# Altium PCB IO_Board.PcbDoc (part 2 of 2)
Units mil, origin at the board's own origin, x right, y up, seen from the top; angles counter-clockwise.
Board outline 5915.54 x 5915.54 mil, 4 copper layers (Top Layer 1, 10V, GND, Bottom Layer 1), stack 23.756 mil thick; 192 components, 129 nets, 596 pads, 135 vias.
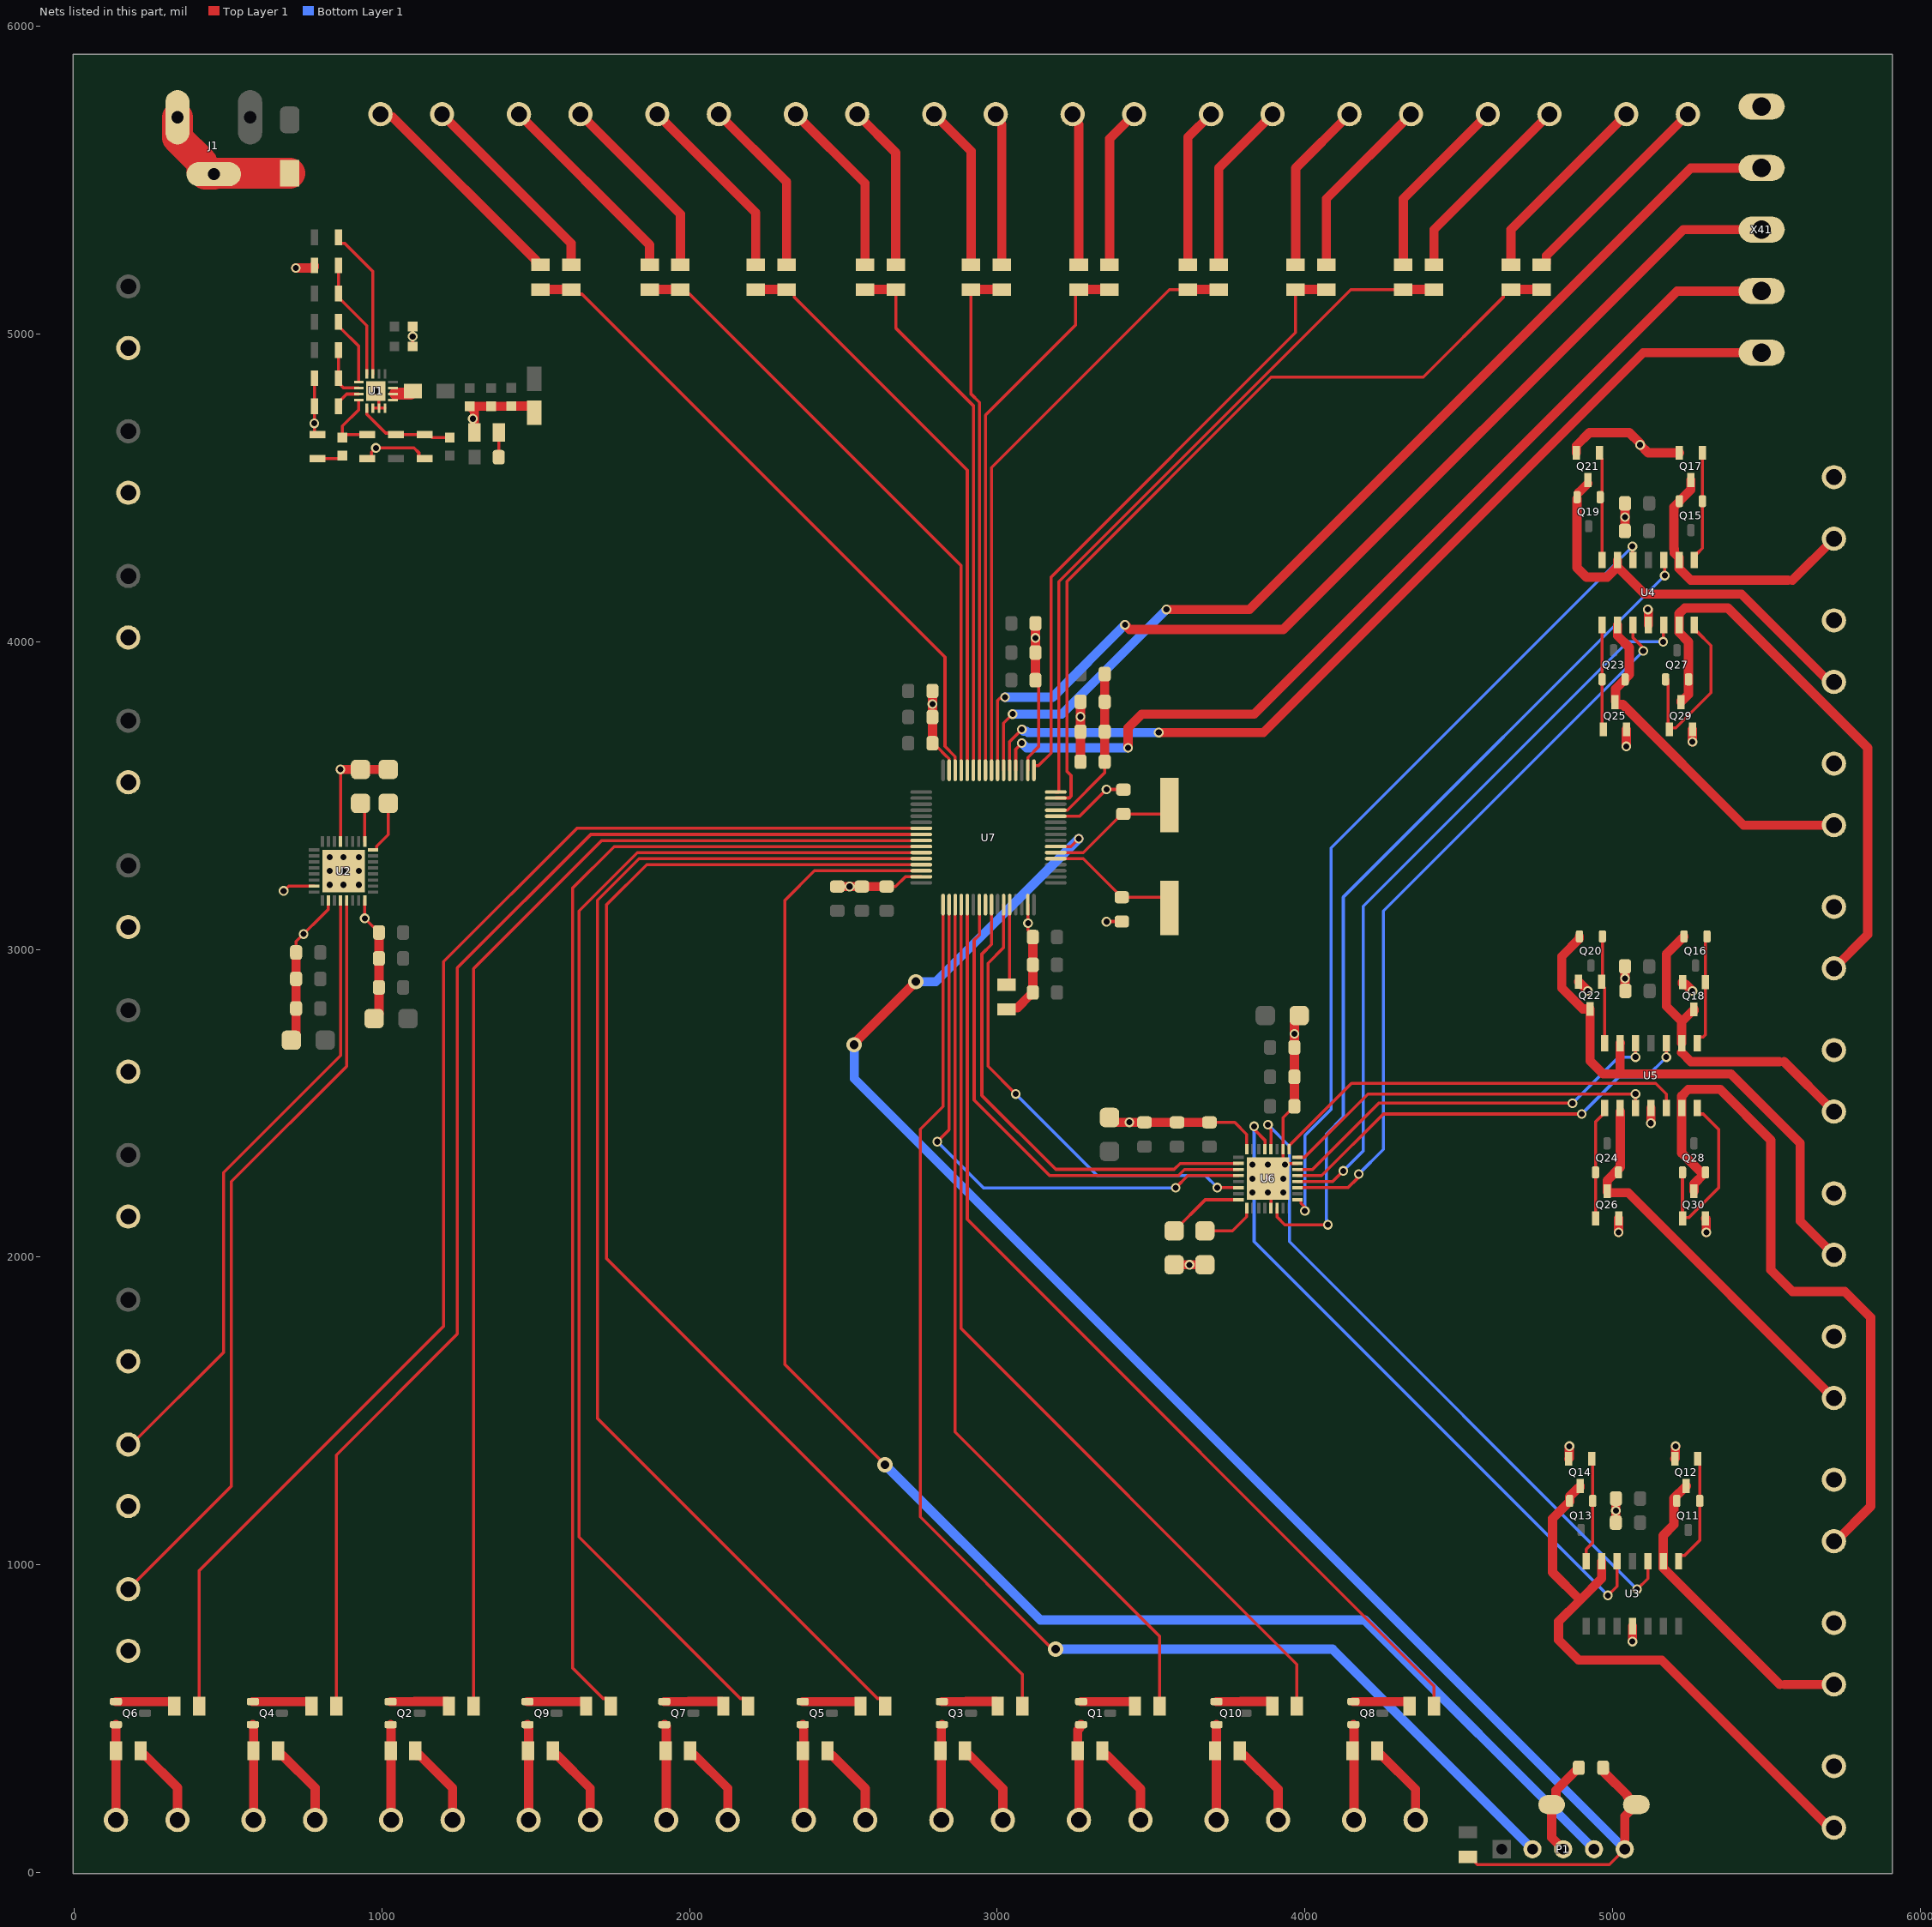
[diagram p4: the nets of this part, all layers, seen from the top]

## Via types
v1: diameter 31.5, hole 19.68, Top Layer 1 to GND, 52 vias
v2: diameter 31.5, hole 19.68, Top Layer 1 to Bottom Layer 1, 44 vias
v3: diameter 31.5, hole 19.68, Top Layer 1 to 10V, 26 vias
v4: diameter 50, hole 28, Top Layer 1 to Bottom Layer 1, 11 vias
v5: diameter 118.11, hole 59.06, Top Layer 1 to Bottom Layer 1, 2 vias

## Nets (pads, with @x,y where several pads share a name; then routed paths per layer and width w, separated by ;. In a path a pad name is that pad's centre, name@x,y a point inside that pad or via, vN(x,y) a via of type N, cw(c..) or ccw(c..) an arc to the next point about the centre after c; other vN are vias at no path point) (continued)
ANAOG_INPUT_9: U2.28 X28.1 | length 2060.6
  Top Layer 1 w10: X28.1@175,1390.56 185.56,1390.56 485,1690 485,2275 865.16,2655.16 U2.28@865.16,3159.13
ANAOG_INPUT_10: U2.29 X29.1 | length 2533.2
  Top Layer 1 w10: X29.1@175,920 510,1255 510,2245 884.84,2619.84 U2.29@884.84,3159.13
ANAOG_OUTPUT_1: Q15.2 Q17.3 U4.2 X31.1 | length 877.2
  Top Layer 1 w30: Q17.3@5255,4525.71 5255,4494.65 Q15.2@5217.6,4457.24 5217.6,4455.75 5200,4438.15 5200,4302.67 5201.25,4301.42 5201.25,4288.89 5216.44,4273.7 5216.44,4238.56 5255,4200 5570,4200 ; 5585,4200 X31.1@5720,4335
ANAOG_OUTPUT_2: Q19.2 Q21.3 U4.6 X32.1 | length 1292
  Top Layer 1 w30: Q19.2@4885,4465.31 4885,4391.65 4884.6,4391.25 4884.6,4240.4 4915,4210 4982.88,4210 U4.6@5016.44,4243.56 ; Q19.2@4889.37,4484.25 Q21.3@4920,4514.88 ; U4.6@5016.44,4265.31 U4.6@5016.44,4243.56 ; X32.1@5705,3869.44 5419.44,4155 5105,4155 U4.6@5016.44,4243.56
ANAOG_OUTPUT_3: Q23.2 Q25.3 U4.9 X33.1 | length 1138.8
  Top Layer 1 w30: Q25.3@5010.36,3806.35 5010.36,3847.16 5036.28,3873.07 5037.77,3873.07 Q23.2@5040.96,3876.26 ; Q25.3@5010.79,3795.94 5034.06,3795.94 5426.11,3403.89 X33.1@5705,3403.89 ; U4.9@5016.44,4054.69 5016.44,4019.92 5055,3981.37 5055,3893.29 5040.96,3879.25 Q23.2@5040.96,3877.76
ANAOG_OUTPUT_4: Q27.2 Q29.3 U4.13 X34.1 | length 1885.5
  Top Layer 1 w30: Q29.3@5222.4,3803.58 5222.4,3808.03 5225.59,3811.22 5229.83,3811.22 5247.4,3828.79 5247.4,3999.72 5216.44,4030.69 U4.13@5216.44,4054.69 5216.44,4091.44 5235,4110 5375,4110 5830,3655 5830,3048.33 X34.1@5720,2938.33
ANAOG_OUTPUT_5: Q16.2 Q18.3 U5.2 X35.1 | length 1010.9
  Top Layer 1 w30: 5225.12,2664.88 5255,2635 5542.78,2635 ; U5.2@5225.12,2695.32 5225.12,2765.12 ; Q16.2@5232.6,3042.24 5232.6,3040.75 5226.22,3034.37 5224.72,3034.37 5175,2984.65 5175,2815.24 5225.12,2765.12 ; Q18.3@5265,2805 5265,2800.55 5261.81,2797.36 5257.36,2797.36 5225.12,2765.12 ; 5557.78,2635 X35.1@5720,2472.78
ANAOG_OUTPUT_6: Q20.2 Q22.3 U5.6 X36.1 | length 1782.9
  Top Layer 1 w30: Q20.2@4892.6,3042.24 4892.6,3034.86 4835,2977.26 4835,2875 4903.58,2806.42 Q22.3@4927.4,2806.42 4927.4,2637.6 4970,2595 5025,2595 ; U5.6@5025.12,2695.32 5025,2695.2 5025,2595 ; X36.1@5720,2007.22 5610,2117.22 5610,2370 5385,2595 5025,2595
ANAOG_OUTPUT_7: Q24.2 Q26.3 U5.9 X37.1 | length 1293.8
  Top Layer 1 w30: U5.9@5025.36,2473.11 5025.36,2291.89 4982.6,2249.13 Q26.3@4982.6,2214.29 4982.6,2212.17 4985.79,2208.98 5051.02,2208.98 5718.33,1541.67 X37.1@5720,1541.67
ANAOG_OUTPUT_8: Q28.2 Q30.3 U5.13 X38.1 | length 2304.3
  Top Layer 1 w30: Q30.3@5265,2214.29 5265,2237.6 5297.72,2270.31 Q28.2@5299.21,2270.31 ; 5288.16,2275 5225.12,2338.04 5225.12,2523.51 5246.6,2545 5350,2545 5514.79,2380.21 5514.79,1958.19 5584.79,1888.19 5754.79,1888.19 5839.79,1803.19 5839.79,1189.3 5726.6,1076.11 X38.1@5720,1076.11
ANAOG_OUTPUT_9: Q11.2 Q12.3 U3.2 X39.1 | length 994.1
  Top Layer 1 w30: Q12.3@5240,1255.71 5200,1215.71 5200,1130 5165,1095 U3.2@5165,1010.63 5165,989.72 5193.66,961.06 5544.16,610.56 ; 5559.16,610.56 X39.1@5720,610.56
ANAOG_OUTPUT_10: Q13.2 Q14.3 U3.6 X40.1 | length 1903.8
  Top Layer 1 w10: Q14.3@4888.19,1248.9 Q14.3@4895,1255.71
  Top Layer 1 w30: Q14.3@4895,1255.71 4895,1251.26 4891.81,1248.07 4887.36,1248.07 4860.87,1221.57 4860.87,1205.75 4805,1149.88 4805,975 4895,885 ; U3.6@4965,1010.63 4965,955 4895,885 ; X40.1@5705,145 5160,690 4890,690 4825,755 4825,815 4895,885
DAC_INT: U6.6 U7.59 | length 1521.7
  Top Layer 1 w10: U7.59@3020.71,3145.39 3020.71,3005.71 2970,2955 2970,2620 v2(3060,2530) ; v2@3720,2220 3725.47,2225.47 U6.6@3784.13,2225.47
  Bottom Layer 1 w10: v2(3060,2530) 3325,2265 3675.94,2265 v2(3715.47,2225.47)
DAC_MISO: U7.56
DAC_MOSI: U6.2 U7.57 | length 1574.9
  Top Layer 1 w10: U7.57@2981.34,3145.39 2981.34,3016.34 2950,2985 2950,2765 2950,2760 2950,2525 3190,2285 3575,2285 3594.21,2304.21 U6.2@3784.13,2304.21
DAC_NSS: U6.4 U7.50 | length 1844.1
  Top Layer 1 w10: v2(2805,2375) 2843.54,2413.54 U7.50@2843.54,3145.39 ; v2(3580,2225) 3619.84,2264.84 U6.4@3784.13,2264.84
  Bottom Layer 1 w10: v2(2805,2375) 2955,2225 v2(3580,2225)
DAC_SCLK: U6.3 U7.55 | length 1611.1
  Top Layer 1 w10: U7.55@2941.97,3145.39 2941.97,3046.97 2925,3030 2925,2510 3170,2265 3588.84,2265 3608.37,2284.53 U6.3@3784.13,2284.53
DIGITAL_INPUT1: R13.1 X1.1 | length 664
  Top Layer 1 w30: X1.1@1195,5715 1615,5295 R13.1@1615,5225
DIGITAL_INPUT2: R17.1 X6.1 | length 624.6
  Top Layer 1 w30: X6.1@1645,5715 1970,5390 R17.1@1970,5225
DIGITAL_INPUT3: R21.1 X2.1 | length 581.1
  Top Layer 1 w30: X2.1@2095,5715 2315,5495 R21.1@2315,5225
DIGITAL_INPUT4: R25.1 X7.1 | length 541.8
  Top Layer 1 w30: X7.1@2545,5715 2670,5590 R25.1@2670,5225
DIGITAL_INPUT5: R29.1 X3.1 | length 498.3
  Top Layer 1 w30: X3.1@2995,5715 2995,5701.81 3015,5681.81 R29.1@3015,5225
DIGITAL_INPUT6: R14.1 X8.1 | length 523.1
  Top Layer 1 w30: R14.1@3365,5225 3365,5635 X8.1@3445,5715
DIGITAL_INPUT7: R18.1 X4.1 | length 562.5
  Top Layer 1 w30: R18.1@3720,5225 3720,5540 X4.1@3895,5715
DIGITAL_INPUT8: R22.1 X9.1 | length 603.9
  Top Layer 1 w30: R22.1@4070,5225 4070,5440 X9.1@4345,5715
DIGITAL_INPUT9: R26.1 X5.1 | length 645.3
  Top Layer 1 w30: R26.1@4420,5225 4420,5340 X5.1@4795,5715
DIGITAL_INPUT10: R30.1 X10.1 | length 692.6
  Top Layer 1 w30: R30.1@4770,5225 4780,5225 4785,5230 4785,5255 X10.1@5245,5715
DIGITAL_OUTPUT1: Q1.2 R35.1 X11.1 | length 317.1
  Top Layer 1 w30: X11.1@3265.55,170 3265.55,391.11 R35.1@3261.67,395 3261.67,462.43 3268.07,468.83 3268.07,476.81 3271.26,480 Q1.2@3272.76,480
DIGITAL_OUTPUT2: Q3.2 R39.1 X12.1 | length 310.7
  Top Layer 1 w30: X12.1@2818.33,170 2818.33,478.33 Q3.2@2820,480
DIGITAL_OUTPUT3: Q5.2 R43.1 X13.1 | length 311.5
  Top Layer 1 w30: Q5.2@2367.76,480 2367.92,480 2371.11,476.81 X13.1@2371.11,170
DIGITAL_OUTPUT4: Q7.2 R47.1 X14.1 | length 313.4
  Top Layer 1 w30: Q7.2@1917.76,480 1919.25,480 1923.89,475.36 X14.1@1923.89,170
DIGITAL_OUTPUT5: Q9.2 R51.1 X15.1 | length 312
  Top Layer 1 w30: Q9.2@1472.76,480 1473.48,480 1476.67,476.81 X15.1@1476.67,170
DIGITAL_OUTPUT6: Q2.2 R36.1 X16.1 | length 310.7
  Top Layer 1 w30: Q2.2@1027.76,480 1029.44,478.31 X16.1@1029.44,170
DIGITAL_OUTPUT7: Q4.2 R40.1 X17.1 | length 310.9
  Top Layer 1 w30: Q4.2@580,480 582.22,477.78 X17.1@582.22,170
DIGITAL_OUTPUT8: Q6.2 R44.1 X18.1 | length 310
  Top Layer 1 w30: X18.1@135,170 R44.1@135,395 Q6.2@135,480
DIGITAL_OUTPUT9: Q8.2 R48.1 X19.1 | length 310.9
  Top Layer 1 w30: Q8.2@4157.76,480 4160,477.76 X19.1@4160,170
DIGITAL_OUTPUT10: Q10.2 R52.1 X20.1 | length 310
  Top Layer 1 w30: X20.1@3712.78,170 Q10.2@3712.76,480
GND: C1.2 C2.2 C3.2 C4.2 C5.2 C9.2 C10.1 C11.1 C12.1 C13.2 C14.1 C15.1 C16.1 C17.1 C18.1 C19.1 C20.1 C21.1 C22.1 C23.1 C24.2 C25.1 C26.1 C27.1 C28.2 C29.1 C30.1 C31.1 C32.1 C33.1 C35.1 C36.1 C37.1 C38.1 C39.1 C40.1 C41.1 C42.1 C43.1 C44.1 C45.1 C46.1 C47.1 C48.1 C49.1 C50.1 C51.1 C52.1 C53.1 D1.1 J1.2 J1.3 P1.3 Q12.2 Q14.2 Q17.2 Q18.2 Q21.2 Q22.2 Q25.2 Q26.2 Q29.2 Q30.2 R4.1 R5.1 R7.1 R9.1 R10.1 R11.1 R12.1 R15.2 R16.2 R19.2 R20.2 R23.2 R24.2 R27.2 R28.2 R31.2 R32.2 R35.2 R36.2 R39.2 R40.2 R43.2 R44.2 R47.2 R48.2 R51.2 R52.2 R54.2 S1.1 U1.10 U1.11 U1.12 U1.17 U2.13 U2.23 U2.26 U2.32 U2.33 U3.11 U4.11 U5.11 U6.13 U6.23 U6.26 U6.32 U6.33 U7.12 U7.18 U7.31 U7.47 U7.63 X1.2 X2.2 X3.2 X4.2 X5.2 X6.2 X7.2 X8.2 X9.2 X10.2 X11.2 X12.2 X13.2 X14.2 X15.2 X16.2 X17.2 X18.2 X19.2 X20.2 X21.2 X22.2 X23.2 X24.2 X25.2 X26.2 X27.2 X28.2 X29.2 X30.2 X31.2 X32.2 X33.2 X34.2 X35.2 X36.2 X37.2 X38.2 X39.2 X40.2 X41.5 | length 16348.8
  Top Layer 1 w10: v1(680,3190) 680.82,3190 696.61,3205.79 U2.23@779.13,3205.79 ; C12.1@720.63,2990 720.63,3025.63 825.47,3130.47 825.47,3158.82 U2.26@825.79,3159.13 ; R4.1@780,4856.67 R9.1@780,4765 780,4680.55 786.81,4673.74 R11.1@790,4673.74 ; v1(865,3585) 865.16,3584.84 U2.13@865.16,3350.87 ; U2.32@943.9,3159.13 v1(943.9,3101.1) 971.38,3073.62 972.69,3073.62 990,3056.32 C16.1@990,3055 ; R10.1@952.02,4595 959.14,4595 965.95,4601.81 965.95,4615.95 v1(980,4630) 1104.05,4630 1119.74,4614.31 1119.74,4601.81 1126.55,4595 R7.1@1139.05,4595 ; U1.10@970.16,4759.49 U1.11@989.84,4759.49 ; v1(980,4815) 989.84,4805.16 U1.11@989.84,4759.49 ; U1.12@1009.53,4759.49 U1.11@989.84,4759.49 ; C1.2@1099.53,4960 C2.2@1099.53,5025 ; C40.1@2480,3204.37 C40.1@2484.37,3200 ; C38.1@2640,3204.37 2669.37,3204.37 2700.94,3235.94 U7.47@2752.99,3235.94 ; C44.1@2789.37,3670 2789.37,3668.68 2803.69,3654.37 2808.16,3654.37 2831.69,3630.83 2843.2,3619.33 2843.2,3582.75 U7.31@2843.54,3582.4 ; U7.63@3099.45,3145.39 3099.45,3062.74 C35.1@3115.63,3046.56 ; U7.18@3099.45,3582.4 3099.8,3582.75 3099.8,3624.34 3135,3659.54 3135,3864.37 C47.1@3124.37,3875 ; U7.12@3190,3432.8 3267.8,3432.8 v1(3355,3520) 3409.37,3520 C51.1@3410,3519.37 ; v1(3355,3090) 3355.63,3090.63 C50.1@3405,3090.63 ; C29.1@3690,2437.87 3772.13,2437.87 3811.1,2398.9 U6.32@3811.1,2350.87 ; v1(3880,2210) 3889.84,2200.16 U6.13@3889.84,2159.13 ; C25.1@3965.87,2490 3965.87,2488.68 3951.55,2474.37 3950.23,2474.37 3929.21,2453.35 U6.26@3929.21,2350.87 3929.21,2305.79 v1(3935,2300) 3939.21,2304.21 U6.23@3975.87,2304.21
  Top Layer 1 w30: R44.2@215,395 215,385 220,380 230,380 335,275 X18.2@335,170 ; R40.2@661.67,395 661.67,385 666.67,380 676.67,380 782.22,274.44 X17.2@782.22,170 ; C9.2@704.88,2705 720.63,2720.75 C10.1@720.63,2808.08 C11.1@720.63,2904.04 C12.1@720.63,2990 ; v1(720,5215) 776.81,5215 780,5218.19 R5.1@780,5223.33 ; v1(865,3585) 929.88,3585 C18.1@930,3585.12 C17.1@1020,3585.12 ; C13.2@974.25,2775 990,2790.75 C14.1@990,2876.42 C15.1@990,2970.71 C16.1@990,3055 ; X1.2@995,5715 1004.33,5705.67 1034.33,5705.67 1500,5240 1500,5230 1505,5225 R15.2@1515,5225 ; R36.2@1108.33,395 1108.33,385 1113.33,380 1123.33,380 1229.44,273.89 X16.2@1229.44,170 ; R12.1@1300,4680 1300,4750.47 C3.2@1285,4765.47 C4.2@1355,4765.47 1419.53,4765.47 C5.2@1420,4765.94 1486.4,4765.94 1495,4757.34 C53.1@1495,4744.78 ; X6.2@1445,5715 1870,5290 R19.2@1870,5225 ; R51.2@1555,395 1555,385 1560,380 1570,380 1676.67,273.33 X15.2@1676.67,170 ; X2.2@1895,5715 2215,5395 R23.2@2215,5225 ; R47.2@2001.67,395 2001.67,385 2006.67,380 2016.67,380 2123.89,272.78 X14.2@2123.89,170 ; X7.2@2345,5715 2570,5490 R27.2@2570,5225 ; R43.2@2448.33,395 2448.33,385 2453.33,380 2463.33,380 2571.11,272.22 X13.2@2571.11,170 ; C40.1@2480,3204.37 C39.1@2560,3204.37 C38.1@2640,3204.37 ; C44.1@2789.37,3670 C45.1@2789.37,3755 C46.1@2789.37,3840 ; X3.2@2795,5715 2915,5595 R31.2@2915,5225 ; R39.2@2895,395 2895,385 2900,380 2910,380 3018.33,271.67 X12.2@3018.33,170 ; R54.2@3030,2805 3035,2810 3065.63,2810 3107.01,2851.38 3110.94,2851.38 3115.63,2856.06 C37.1@3115.63,2860 C36.1@3115.63,2950 C35.1@3115.63,3040 C35.1@3115.63,3046.56 ; C47.1@3124.37,3875 C48.1@3124.37,3965 C49.1@3124.37,4060 ; X8.2@3245,5715 3245,5701.81 3265,5681.81 R16.2@3265,5225 ; C43.1@3270.63,3610 C42.1@3270.63,3707.5 C41.1@3270.63,3805 ; R35.2@3341.67,395 3341.67,385 3346.67,380 3356.67,380 3465.55,271.11 X11.2@3465.55,170 ; C28.2@3365,2453.62 3380.75,2437.87 C31.1@3478.58,2437.87 C30.1@3584.29,2437.87 C29.1@3690,2437.87 ; C32.1@3575,1974.76 3674.88,1974.76 C33.1@3675,1974.88 ; R20.2@3620,5225 3620,5640 X4.2@3695,5715 ; R52.2@3788.33,395 3788.33,385 3793.33,380 3803.33,380 3912.78,270.56 X20.2@3912.78,170 ; C25.1@3965.87,2490 C26.1@3965.87,2585.71 C27.1@3965.87,2681.42 3965.87,2769.25 C24.2@3981.61,2785 ; R24.2@3970,5225 3970,5540 X9.2@4145,5715 ; R48.2@4235,395 4235,385 4240,380 4250,380 4360,270 X19.2@4360,170 ; R28.2@4320,5225 4320,5440 X5.2@4595,5715 ; R32.2@4670,5225 4670,5340 X10.2@5045,5715 ; P1.3@4840,75 4802.2,112.8 S1.1@4802.2,220 4816.41,234.21 4816.41,265.78 4882.01,331.38 4885.94,331.38 4890.63,336.06 C52.1@4890.63,340 ; Q14.2@4857.6,1344.29 4859.71,1346.41 4859.71,1384.71 v1(4860,1385) ; Q21.2@4882.6,4614.29 4882.6,4637.43 4925.17,4680 5055,4680 5089.71,4645.29 5089.71,4640.29 v1(5090,4640) 5115.71,4614.29 Q17.2@5217.6,4614.29 ; Q22.2@4890,2895 v1(4920,2865) ; C19.1@5010.94,1136.5 5010.94,1214.68 C18.1@5011.26,1215 ; v1(5020,2080) Q26.2@5020,2125.71 ; C20.1@5040.31,4360 5040.63,4360.31 C21.1@5040.63,4450 ; C23.1@5040.63,2866.44 C22.1@5040.63,2945 ; v1(5045,3660) Q25.2@5045,3715 ; v1(5065,750) U3.11@5065,800 ; v1(5115,4105) 5115,4104.6 5116.44,4103.15 U4.11@5116.44,4054.69 ; v1(5125,2435) 5125,2484.57 U5.11@5125.12,2484.68 ; Q12.2@5202.6,1344.29 5204.71,1346.41 5204.71,1384.71 v1(5205,1385) ; Q18.2@5227.6,2893.58 5227.6,2889.13 5230.79,2885.94 5238.65,2885.94 5259.6,2865 v1(5260,2865) ; Q29.2@5259.8,3715 5259.9,3714.9 5259.9,3675.1 v1(5260,3675) ; Q30.2@5302.4,2125.71 5304.73,2123.38 5304.73,2080.27 v1(5305,2080)
  Top Layer 1 w100: J1.2@335,5705 335,5638.07 414.53,5558.54 414.53,5530.59 425.16,5519.96 J1.3@453.11,5519.96 456.54,5523.39 D1.1@700,5523.39
  other v1: 5010.94,1175.59 3624.94,1974.76 3830,2210 3930,2210 3830,2255 3930,2255 3830,2300 3880,2300 3429.67,2437.87 3965.87,2725.33 5040.63,2905.72 745,3050 3100,3085 2520,3204.37 830,3210 875,3210 925,3210 830,3255 875,3255 925,3255 830,3300 875,3300 925,3300 3270.63,3756.25 2789.37,3797.5 3124.37,4012.5 5040.63,4405.16 780,4710 1295,4725 1099.53,4992.5
MCU_DIGITAL_INPUT1: R13.2 R15.1 U7.30 | length 2191.3
  Top Layer 1 w10: R13.2@1615,5145 1630,5130 1650,5130 2830,3950 2830,3660 2863.23,3626.77 U7.30@2863.23,3582.4
  Top Layer 1 w30: R15.1@1515,5145 R13.2@1615,5145
MCU_DIGITAL_INPUT2: R17.2 R19.1 U7.29 | length 2152.5
  Top Layer 1 w10: R19.1@1870,5145 1985,5145 1985,5140 1995,5130 2000,5130 2882.91,4247.09 U7.29@2882.91,3582.4
  Top Layer 1 w30: R19.1@1870,5145 R17.2@1970,5145
MCU_DIGITAL_INPUT3: R21.2 R23.1 U7.28 | length 1911.8
  Top Layer 1 w10: R21.2@2315,5145 2325,5145 2340,5130 2340,5120 2902.6,4557.4 U7.28@2902.6,3582.4
  Top Layer 1 w30: R23.1@2215,5145 R21.2@2315,5145
MCU_DIGITAL_INPUT4: R25.2 R27.1 U7.27 | length 1767.1
  Top Layer 1 w10: R25.2@2670,5145 2670,5020 2922.28,4767.72 U7.27@2922.28,3582.4
  Top Layer 1 w30: R27.1@2570,5145 R25.2@2670,5145
MCU_DIGITAL_INPUT5: R29.2 R31.1 U7.26 | length 1673.8
  Top Layer 1 w10: R31.1@2915,5145 2915,4805 2941.97,4778.03 U7.26@2941.97,3582.4
  Top Layer 1 w30: R31.1@2915,5145 R29.2@3015,5145
MCU_DIGITAL_INPUT6: R14.2 R16.1 U7.25 | length 1788.2
  Top Layer 1 w10: U7.25@2961.65,3582.4 2961.65,4736.65 3255,5030 3255,5135 R16.1@3265,5145
  Top Layer 1 w30: R16.1@3265,5145 R14.2@3365,5145
MCU_DIGITAL_INPUT7: R18.2 R20.1 U7.24 | length 1962.3
  Top Layer 1 w10: U7.24@2981.34,3582.4 2981.34,4566.34 3560,5145 R20.1@3620,5145
  Top Layer 1 w30: R20.1@3620,5145 R18.2@3720,5145
MCU_DIGITAL_INPUT8: R22.2 R24.1 U7.17 | length 2023.4
  Top Layer 1 w10: U7.17@3119.13,3582.4 3119.13,3596.61 3119.97,3597.45 3134.18,3597.45 3175,3638.27 3175,4210 3970,5005 R24.1@3970,5145
  Top Layer 1 w30: R24.1@3970,5145 R22.2@4070,5145
MCU_DIGITAL_INPUT9: R26.2 R28.1 U7.16 | length 2306.7
  Top Layer 1 w10: U7.16@3190,3511.54 3199.16,3511.54 3200,3512.37 3200,4195.46 4149.54,5145 R28.1@4320,5145
  Top Layer 1 w30: R28.1@4320,5145 R26.2@4420,5145
MCU_DIGITAL_INPUT10: R30.2 R32.1 U7.15 | length 2698.3
  Top Layer 1 w10: U7.15@3190,3491.85 3190.35,3492.2 3234.14,3492.2 3240,3498.05 3240,3565 3227.2,3577.8 3227.2,4197.2 3890,4860 4385,4860 4645,5120 4645,5130 4660,5145 R32.1@4670,5145
  Top Layer 1 w30: R32.1@4670,5145 R30.2@4770,5145
MCU_DIGITAL_OUTPUT1: R33.1 U7.51 | length 2880.7
  Top Layer 1 w10: U7.51@2863.23,3145.39 2863.23,1431.77 3527.78,767.22 R33.1@3527.78,540
MCU_DIGITAL_OUTPUT2: R37.1 U7.45 | length 4241.8
  Top Layer 1 w10: U7.45@2752.99,3275.31 1860.32,3275.31 1730,3145 1730,1995 3081.67,643.33 R37.1@3081.67,540
MCU_DIGITAL_OUTPUT3: R41.1 U7.44 | length 4121.8
  Top Layer 1 w10: R41.1@2635.56,540 2635.56,550 2620.56,565 2610.56,565 1700.23,1475.33 1700.23,3159.77 1835.46,3295 U7.44@2752.99,3295
MCU_DIGITAL_OUTPUT4: R45.1 U7.43 | length 4010
  Top Layer 1 w10: R45.1@2189.44,540 2189.44,550 2174.44,565 2164.44,565 1640,1089.44 1640,3125 1829.68,3314.69 U7.43@2752.99,3314.69
MCU_DIGITAL_OUTPUT5: R49.1 U7.42 | length 3905.6
  Top Layer 1 w10: R49.1@1743.33,540 1743.33,550 1728.33,565 1718.33,565 1620,663.33 1620,3200 1754.37,3334.37 U7.42@2752.99,3334.37
MCU_DIGITAL_OUTPUT6: R34.1 U7.41 | length 4025.6
  Top Layer 1 w10: R34.1@1297.22,540 1297.22,2937.22 1714.06,3354.06 U7.41@2752.99,3354.06
MCU_DIGITAL_OUTPUT7: R38.1 U7.40 | length 4250.8
  Top Layer 1 w10: R38.1@851.11,540 851.11,1356.11 1245,1750 1245,2940 1678.74,3373.74 U7.40@2752.99,3373.74
MCU_DIGITAL_OUTPUT8: R42.1 U7.39 | length 4481.8
  Top Layer 1 w10: R42.1@405,540 405,980 1200,1775 1200,2960 1633.43,3393.43 U7.39@2752.99,3393.43
MCU_DIGITAL_OUTPUT9: R46.1 U7.53 | length 3233.9
  Top Layer 1 w10: U7.53@2902.6,3145.39 2902.6,2122.4 4420,605 R46.1@4420,540
MCU_DIGITAL_OUTPUT10: R50.1 U7.52 | length 3057.3
  Top Layer 1 w10: U7.52@2882.91,3145.39 2882.91,1767.09 3973.89,676.11 R50.1@3973.89,540
NetC6_1: C6.1 R3.1 R7.2 U1.9 | length 320.8
  Top Layer 1 w10: U1.9@950.47,4759.49 950.47,4739.53 1011.59,4678.41 1040.87,4678.41 R3.1@1045.54,4673.74 R7.2@1139.05,4673.74 1152.83,4673.74 1162.55,4664.02 C6.1@1220,4664.02
NetC7_1: C7.1 R11.2 | length 85.1
  Top Layer 1 w10: R11.2@790,4595 860.99,4595 C7.1@870.95,4604.96
NetC7_2: C7.2 R10.2 U1.8 | length 228.7
  Top Layer 1 w10: U1.8@924.49,4785.47 924.49,4754.49 870.95,4700.95 C7.2@870.95,4664.02 880.68,4673.74 R10.2@952.02,4673.74
NetC17_2: C17.2 U2.8 | length 178
  Top Layer 1 w10: U2.8@970.87,3323.9 982.28,3323.9 982.6,3324.21 982.6,3335.63 1020,3373.03 C17.2@1020,3474.88
NetC18_2: C18.2@930,3474.88 U2.9 | length 129.8
  Top Layer 1 w10: C18.2@930,3474.88 943.9,3460.98 U2.9@943.9,3350.87
NetC32_2: C32.2 U6.8 | length 251
  Top Layer 1 w10: C32.2@3575,2085 3676.1,2186.1 U6.8@3784.13,2186.1
NetC33_2: C33.2 U6.9 | length 183.2
  Top Layer 1 w10: C33.2@3675,2085.12 3765.12,2085.12 3811.1,2131.1 U6.9@3811.1,2159.13
NetC41_2: C41.2 C42.2 C43.2 L2.2 U7.13 | length 530.5
  Top Layer 1 w10: U7.13@3190,3452.48 3190.35,3452.83 3227.83,3452.83 3349.37,3574.37 C43.2@3349.37,3610
  Top Layer 1 w30: C43.2@3349.37,3610 C42.2@3349.37,3707.5 C41.2@3349.37,3805 L2.2@3349.37,3895
NetD2_2: D2.2 R12.2 | length 80.3
  Top Layer 1 w10: D2.2@1379.37,4600 1379.37,4679.37 R12.2@1380,4680
NetL1_1: L1.1 U1.13 U1.14 U1.15 | length 68.6
  Top Layer 1 w30: L1.1@1084.25,4805.16 1094.09,4815 L1.1@1100,4815
  Top Layer 1 w40: U1.14@1043.65,4806.57 L1.1@1092.39,4806.57
NetQ1_1: Q1.1 R33.2 | length 186.9
  Top Layer 1 w30: Q1.1@3272.76,554.8 3442.78,554.8 3447.78,549.8 R33.2@3447.78,540
NetQ2_1: Q2.1 R34.2 | length 202
  Top Layer 1 w30: Q2.1@1027.76,554.8 1105.91,554.8 1106.5,555.4 1211.82,555.4 1217.22,550 R34.2@1217.22,540
NetQ3_1: Q3.1 R37.2 | length 194.2
  Top Layer 1 w30: Q3.1@2820,554.8 2898.15,554.8 2898.75,555.4 2996.26,555.4 3001.67,550 R37.2@3001.67,540
NetQ4_1: Q4.1 R38.2 | length 203
  Top Layer 1 w30: Q4.1@580,554.8 766.11,554.8 771.11,549.8 R38.2@771.11,540
NetQ5_1: Q5.1 R41.2 | length 199.7
  Top Layer 1 w30: Q5.1@2367.76,554.8 2550.56,554.8 2555.56,549.8 R41.2@2555.56,540
NetQ6_1: Q6.1 R42.2 | length 201.9
  Top Layer 1 w30: Q6.1@135,554.8 320,554.8 325,549.8 R42.2@325,540
NetQ7_1: Q7.1 R45.2 | length 204.2
  Top Layer 1 w30: Q7.1@1917.76,554.8 1995.91,554.8 1996.5,555.4 2104.04,555.4 2109.44,550 R45.2@2109.44,540
NetQ8_1: Q8.1 R46.2 | length 194.1
  Top Layer 1 w30: Q8.1@4157.76,554.8 4335,554.8 4340,549.8 R46.2@4340,540
NetQ9_1: Q9.1 R49.2 | length 202.5
  Top Layer 1 w30: Q9.1@1472.76,554.8 1658.33,554.8 1663.33,549.8 R49.2@1663.33,540
NetQ10_1: Q10.1 R50.2 | length 193.6
  Top Layer 1 w30: Q10.1@3712.76,554.8 3790.91,554.8 3791.5,555.4 3888.49,555.4 3893.89,550 R50.2@3893.89,540
NetQ11_1: Q11.1 Q12.1 U3.1 | length 372.5
  Top Layer 1 w10: U3.1@5215,1010.63 5215,1023.62 5221.81,1030.43 5234.8,1030.43 5283.84,1079.47 Q11.1@5283.84,1207.24 5283.84,1337.85 Q12.1@5277.4,1344.29
NetQ13_1: Q13.1 Q14.1 U3.7 | length 343
  Top Layer 1 w10: U3.7@4915,1010.63 4915,1050 4935,1070 4935,1341.69 Q14.1@4932.4,1344.29
NetQ15_1: Q15.1 Q17.1 U4.1 | length 360.8
  Top Layer 1 w10: U4.1@5266.44,4265.31 5266.44,4280.08 5273.25,4286.89 5275.03,4286.89 5292.4,4304.26 Q15.1@5292.4,4457.24 Q17.1@5292.4,4614.29
NetQ16_1: Q16.1 Q18.1 U5.1 | length 367.9
  Top Layer 1 w10: U5.1@5275.12,2695.32 5275.12,2708.3 5281.93,2715.11 5294.92,2715.11 5302.4,2722.6 Q18.1@5302.4,2893.58 5302.4,3037.24 Q16.1@5307.4,3042.24
NetQ19_1: Q19.1 Q21.1 U4.7 | length 352.7
  Top Layer 1 w10: Q21.1@4957.4,4614.29 4957.4,4603.46 4966.44,4594.43 U4.7@4966.44,4265.31
NetQ20_1: Q20.1 Q22.1 U5.7 | length 352.3
  Top Layer 1 w10: Q20.1@4967.4,3042.24 4967.4,2897.6 Q22.1@4964.8,2895 4964.8,2884.17 4975.12,2873.86 U5.7@4975.12,2695.32
NetQ23_1: Q23.1 Q25.1 U4.8 | length 341.2
  Top Layer 1 w10: U4.8@4966.44,4054.69 4966.44,3718.76 Q25.1@4970.2,3715
NetQ24_1: Q24.1 Q26.1 U5.8 | length 371.4
  Top Layer 1 w10: Q26.1@4945.2,2125.71 4945.2,2275 4945.2,2440 4975.12,2469.92 U5.8@4975.12,2484.68
NetQ27_1: Q27.1 Q29.1 U4.14 | length 583.8
  Top Layer 1 w10: Q27.1@5181.16,3877.76 5181.16,3727.36 Q29.1@5185,3723.52 ; Q29.1@5185,3715 5190.35,3720.35 5205.95,3720.35 5320,3834.39 5320,3988.14 5275.03,4033.11 5273.25,4033.11 5266.44,4039.92 U4.14@5266.44,4054.69
NetQ28_1: Q28.1 Q30.1 U5.14 | length 604.1
  Top Layer 1 w10: Q28.1@5227.6,2275 Q30.1@5227.6,2125.71 5230.44,2128.55 5248.55,2128.55 5345,2225 5345,2414.8 5294.92,2464.89 5281.93,2464.89 5275.12,2471.7 U5.14@5275.12,2484.68
NetR1_1: R1.1 R4.2 U1.6 | length 179.6
  Top Layer 1 w10: R1.1@858.74,4948.33 R4.2@858.74,4856.67 865.55,4849.86 865.55,4834.45 875.16,4824.84 U1.6@924.49,4824.84
NetR2_1: R2.1 R5.2 U1.4 | length 391.6
  Top Layer 1 w10: R5.2@858.74,5223.33 858.74,5117.89 865.55,5111.08 866.83,5111.08 950.47,5027.44 U1.4@950.47,4870.51
NetR6_2: R6.2 U1.5 | length 222.7
  Top Layer 1 w10: R6.2@858.74,5040 858.74,5026.22 R6.2@865.55,5019.41 ; R6.2@865.59,5019.41 924.49,4960.51 U1.5@924.49,4844.53
NetR8_1: R8.1 U1.3 | length 497.9
  Top Layer 1 w10: R8.1@858.74,5315 858.74,5302.5 865.55,5295.69 878.05,5295.69 970,5203.74 U1.3@970,4870.51
NetR9_2: R9.2 U1.7 | length 90.5
  Top Layer 1 w10: R9.2@858.74,4765 858.74,4778.78 R9.2@865.55,4785.59 ; R9.2@865.59,4785.59 885.16,4805.16 U1.7@924.49,4805.16
NetR54_1: R54.1 U7.60 | length 264.7
  Top Layer 1 w10: R54.1@3030,2885 3040.39,2895.39 U7.60@3040.39,3145.39
NRST: C52.2 P1.5 R53.1 S1.2 U7.7 | length 5618.2
  Top Layer 1 w10: U7.7@3190,3334.37 3239.37,3334.37 v2(3265,3360) ; R53.1@4530,50 4540,50 4555,35 4555,30.86 4560.86,25 4990,25 P1.5@5040,75
  Top Layer 1 w30: v4(2535,2690) 2535,2695 v4(2735,2895) ; C52.2@4969.37,340 4974.06,335.31 4974.06,323.74 5049.49,248.31 5049.49,245.42 S1.2@5074.91,220 ; P1.5@5040,75 5040,182.2 5059.67,201.88 5059.67,204.76 S1.2@5074.91,220 ; S1.2@5077.8,220 S1.2@5074.91,220
  Bottom Layer 1 w30: v4(2535,2690) 2535,2580 P1.5@5040,75 ; v4(2735,2895) 2800,2895 v2(3265,3360)
OSC_IN: C50.2 U7.5 Y1.1 | length 442.8
  Top Layer 1 w10: U7.5@3190,3295 3279.37,3295 3389.37,3185 3389.37,3183.69 3403.68,3169.37 C50.2@3405,3169.37 3535.47,3169.37 3560,3144.84 Y1.1@3560,3135
OSC_OUT: C51.2 U7.6 Y1.2 | length 442.8
  Top Layer 1 w10: U7.6@3190,3314.69 3279.37,3314.69 3389.37,3424.68 3389.37,3426 3403.68,3440.31 3405,3440.31 3535.47,3440.31 3560,3464.84 Y1.2@3560,3474.69
PORT0: U4.3 U6.14 | length 2824.2
  Top Layer 1 w10: U6.14@3909.53,2159.13 3909.53,2130.47 3935,2105 v2(4075,2105) ; U4.3@5166.44,4265.31 5169.4,4262.36 5169.4,4215.6 v2(5170,4215)
  Bottom Layer 1 w10: v2(4075,2105) 4070.89,2109.11 4070.89,2120.72 4070,2121.61 4070,2400 4125,2455 4125,3170 v2(5170,4215)
PORT1: U4.5 U6.17 | length 2699.2
  Top Layer 1 w10: U6.17@3975.87,2186.1 3987.28,2186.1 3987.59,2185.79 3987.59,2174.37 4000,2161.97 v2(4000,2150) ; v2(5065,4310) 5065.72,4309.28 5065.72,4266.04 U4.5@5066.44,4265.31
  Bottom Layer 1 w10: v2(4000,2150) 4000,2395 4085,2480 4085,3330 v2(5065,4310)
PORT2: U4.10 U6.19 | length 2405.2
  Top Layer 1 w10: U6.19@3975.87,2225.47 4140.47,2225.47 4170.89,2255.89 4170.89,2265.89 v2(4175,2270) ; U4.10@5066.44,4054.69 5066.44,4013.56 5095.89,3984.11 5095.89,3974.11 v2(5100,3970)
  Bottom Layer 1 w10: v2(4175,2270) 4255,2350 4255,3125 v2(5100,3970)
PORT3: U4.12 U6.20 | length 2437
  Top Layer 1 w10: U6.20@3975.87,2245.16 4090.16,2245.16 v2(4125,2280) ; v2(5165,4000) 5165,4053.24 U4.12@5166.44,4054.69
  Bottom Layer 1 w10: v2(4125,2280) 4190,2345 4190,3140 5050,4000 v2(5165,4000)
PORT4: U5.3 U6.21 | length 1404
  Top Layer 1 w10: U6.21@3975.87,2264.84 4054.84,2264.84 4255,2465 v2(4900,2465) ; v2(5175,2650) 5175.06,2650.06 U5.3@5175.12,2695.32 U5.3@5175.12,2695.32
  Bottom Layer 1 w10: v2(4900,2465) 5020,2585 5110,2585 v2(5175,2650)
PORT5: U5.5 U6.22 | length 1295.9
  Top Layer 1 w10: U6.22@3975.87,2284.53 4024.53,2284.53 4240,2500 v2(4870,2500) ; v2(5075,2650) 5075.06,2650.06 U5.5@5075.12,2695.32 U5.5@5075.12,2695.32
  Bottom Layer 1 w10: v2(4870,2500) 5020,2650 v2(5075,2650)
PORT6: U5.10 U6.24 | length 1229.9
  Top Layer 1 w10: U6.24@3975.87,2323.9 3976.08,2324.11 3999.11,2324.11 4205,2530 v2(5075,2530) 5075.06,2529.94 U5.10@5075.12,2484.68 U5.10@5075.12,2484.68
PORT7: U5.12 U6.25 | length 1381.5
  Top Layer 1 w10: U6.25@3948.9,2350.87 3948.9,2362.48 3949.21,2362.8 3949.41,2362.8 4151.62,2565 5140,2565 5175,2530 5175.06,2529.94 U5.12@5175.12,2484.68 U5.12@5175.12,2484.68
PORT8: U3.3 U6.28 | length 2195.4
  Top Layer 1 w10: v2(3880,2430) 3880,2424.18 3889.84,2414.34 U6.28@3889.84,2350.87 ; v2(5080,920) 5115,955 U3.3@5115,1010.63
  Bottom Layer 1 w10: v2(3880,2430) 3950,2360 3950,2050 v2(5080,920)
PORT9: U3.5 U6.29 | length 2213.1
  Top Layer 1 w10: v2(3835,2425) 3839.11,2420.89 3839.11,2410.89 3870.16,2379.84 U6.29@3870.16,2350.87 ; v2(4985,900) 5015,930 U3.5@5015,1010.63
  Bottom Layer 1 w10: v2(3835,2425) 3835,2050 v2(4985,900)
SWCLK: P1.2 U7.49 | length 4448.3
  Top Layer 1 w10: U7.49@2823.86,3145.39 2823.86,2488.86 2750,2415 2750,1155 v4@3180,725
  Bottom Layer 1 w30: v4(3190,725) 4090,725 P1.2@4740,75
SWDIO: P1.4 U7.46 | length 5275
  Top Layer 1 w10: v4(2635,1325) 2310,1650 2310,3160 2405.63,3255.63 U7.46@2752.99,3255.63
  Bottom Layer 1 w30: v4(2635,1325) 3140,820 4195,820 P1.4@4940,75
toFPGA_MISO: U7.22 X41.4 | length 3365
  Top Layer 1 w10: U7.22@3020.71,3582.4 3020.71,3735.71 v2(3050,3765)
  Top Layer 1 w30: v2(3550,4105) 3820,4105 5255,5540 X41.4@5485,5540
  Bottom Layer 1 w30: v2(3050,3765) 3210,3765 v2(3550,4105)
toFPGA_MOSI: U7.23 X41.3 | length 3357
  Top Layer 1 w10: U7.23@3001.02,3582.4 3001.02,3808.78 3008.13,3815.89 3020.89,3815.89 v2(3025,3820)
  Top Layer 1 w30: v2(3415,4055) 3415.4,4055 3430.4,4040 3930,4040 5230,5340 X41.3@5485,5340
  Bottom Layer 1 w30: v2(3025,3820) 3180,3820 v2(3415,4055)
toFPGA_NSS: U7.20 X41.2 | length 3160.9
  Top Layer 1 w10: U7.20@3060.08,3582.4 3060.08,3650.08 3079.67,3669.67 v2(3079.67,3670.33)
  Top Layer 1 w30: v2(3425,3655) 3425,3720 3470,3765 3835,3765 5210,5140 X41.2@5485,5140
  Bottom Layer 1 w30: v2(3079.67,3670.33) 3080.08,3670.33 3095.4,3655 v2(3425,3655)
toFPGA_SCK: U7.21 X41.1 | length 3069.7
  Top Layer 1 w10: U7.21@3040.39,3582.4 3040.39,3675.39 3063.39,3698.39 v2(3080,3715)
  Top Layer 1 w30: v2(3525,3705) 3865,3705 5100,4940 X41.1@5485,4940
  Bottom Layer 1 w30: v2(3080,3715) 3080.4,3715 3086.33,3709.08 3095.72,3709.08 3099.8,3705 v2(3525,3705)
pads on no net: U2.2 U2.10 U2.11 U2.15 U2.16 U2.30 U2.31 U3.8 U3.9 U3.10 U3.12 U3.13 U3.14 U6.5 U6.7 U6.10 U6.11 U6.15 U6.16 U6.30 U6.31 U7.1 U7.2 U7.3 U7.4 U7.8 U7.9 U7.10 U7.11 U7.14 U7.54 U7.58 U7.61 U7.62

## Polygon pours and split planes (outlines as drawn)
GND on Bottom Layer 1 "GND_L04_P001" (solid, remove dead copper, pour order 1): 5910,-5 5910,5910 -5,5910 -5,-5
GND on Top Layer 1 "GND_L01_P000" (solid, remove dead copper, pour order 0): 5910,-5 5910,5910 0,5910 0,-5
10V on 10V (split plane): 5890.43,15.08 15.08,15.08 15.08,5890.43 5890.43,5890.43
GND on GND (split plane): 5890.43,15.08 15.08,15.08 15.08,5890.43 5890.43,5890.43

## Silkscreen, mask and mechanical layers (free items; w line width, h text height)
Top Overlay:
  drawing of 50 lines, arcs and shapes, not listed
  text "Danial Fath pour 9923059" at 695,1003.33 h100
  text "Erfan Ghasri 9923062" at 890,865 h100
Mechanical 1:
  lines w10: 245,5927.01 245.51,5927.01 ; 5920,0 5920.51,0 ; 0,0 0,5905.51 5905.51,5905.51 5905.51,0 0,0

## Text inside footprints (layer, text, board x,y; h text height)
X41: Top Overlay "1" at 5674.37,4930 h50 r90; Top Overlay "2" at 5674.37,5120 h50 r90; Top Overlay "3" at 5674.37,5320 h50 r90; Top Overlay "4" at 5674.37,5520 h50 r90; Top Overlay "5" at 5674.37,5720 h50 r90